# KiCad board FetsAndCrosses.kicad_pcb (continued)
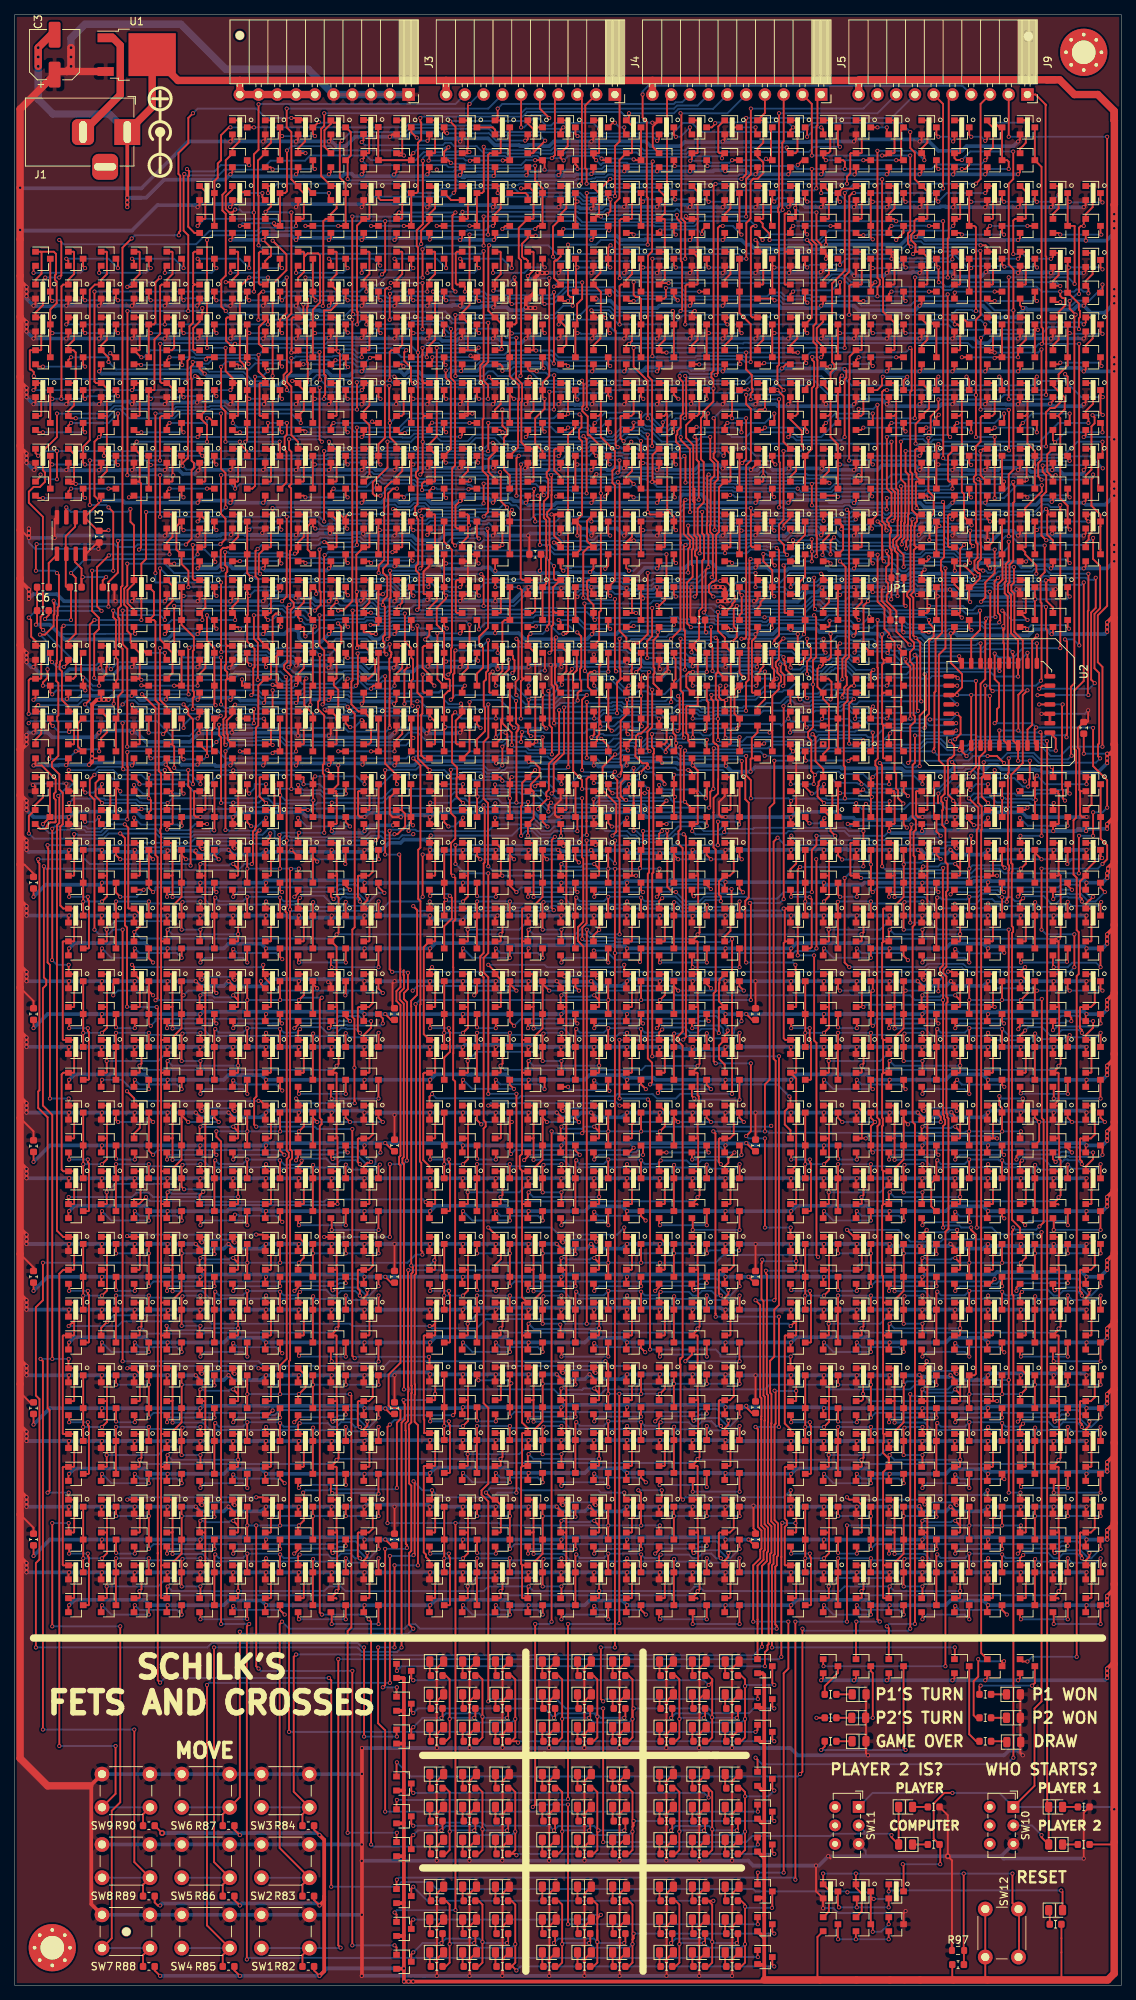
[diagram p0: board, top side]
## Nets (continued)
Net-(Q968-Pad2): Q968.2 Q969.3
Net-(Q972-Pad2): Q972.2 Q973.3
Net-(Q987-Pad2): Q987.2 Q988.3
Net-(Q988-Pad2): Q988.2 Q989.3
Net-(Q992-Pad2): Q992.2 Q993.3
Net-(Q997-Pad2): Q997.2 Q998.3
Net-(Q998-Pad2): Q998.2 Q999.3
Net-(Q1003-Pad2): Q1003.2 Q1004.3
Net-(Q1004-Pad2): Q1004.2 Q1005.3
Net-(Q1009-Pad2): Q1009.2 Q1010.3
Net-(Q1010-Pad2): Q1010.2 Q1011.3
Net-(Q1014-Pad2): Q1014.2 Q1015.3
Net-(Q1017-Pad3): Q405.2 Q1017.3
Net-(Q1018-Pad3): Q404.2 Q1018.3
Net-(Q1021-Pad3): Q407.2 Q1021.3
Net-(Q1022-Pad3): Q410.2 Q1022.3
Net-(Q1023-Pad3): Q409.2 Q1023.3
Net-(Q1024-Pad3): Q408.2 Q1024.3
Net-(Q1029-Pad2): Q1029.2 Q1030.3
Net-(Q1030-Pad2): Q1030.2 Q1031.3
Net-(Q1034-Pad2): Q1034.2 Q1035.3
Net-(Q1039-Pad2): Q1039.2 Q1040.3
Net-(Q1040-Pad2): Q1040.2 Q1041.3
Net-(Q1045-Pad2): Q1045.2 Q1046.3
Net-(Q1046-Pad2): Q1046.2 Q1047.3
Net-(Q1051-Pad2): Q1051.2 Q1052.3
Net-(Q1052-Pad2): Q1052.2 Q1053.3
Net-(Q1056-Pad2): Q1056.2 Q1057.3
Net-(Q1059-Pad3): Q411.2 Q1059.3
Net-(Q1060-Pad3): Q414.2 Q1060.3
Net-(Q1061-Pad3): Q413.2 Q1061.3
Net-(Q1062-Pad3): Q412.2 Q1062.3
Net-(Q1065-Pad3): Q415.2 Q1065.3
Net-(Q1066-Pad3): Q418.2 Q1066.3
Net-(Q1067-Pad3): Q417.2 Q1067.3
Net-(Q1068-Pad3): Q416.2 Q1068.3
Net-(Q1071-Pad2): Q1071.2 Q1072.3
Net-(Q1072-Pad2): Q1072.2 Q1073.3
Net-(Q1076-Pad2): Q1076.2 Q1077.3
Net-(Q1081-Pad2): Q1081.2 Q1082.3
Net-(Q1082-Pad2): Q1082.2 Q1083.3
Net-(Q1087-Pad2): Q1087.2 Q1088.3
Net-(Q1088-Pad2): Q1088.2 Q1089.3
Net-(Q1093-Pad2): Q1093.2 Q1094.3
Net-(Q1094-Pad2): Q1094.2 Q1095.3
Net-(Q1098-Pad2): Q1098.2 Q1099.3
Net-(Q1104-Pad2): Q1104.2 Q1105.3
Net-(Q1108-Pad2): Q1108.2 Q1109.3
Net-(Q1113-Pad2): Q1113.2 Q1114.3
Net-(Q1114-Pad2): Q1114.2 Q1115.3
Net-(Q1118-Pad2): Q1118.2 Q1119.3
Net-(Q1123-Pad2): Q1123.2 Q1124.3
Net-(Q1124-Pad2): Q1124.2 Q1125.3
Net-(Q1129-Pad2): Q1129.2 Q1130.3
Net-(Q1130-Pad2): Q1130.2 Q1131.3
Net-(Q1135-Pad2): Q1135.2 Q1136.3
Net-(Q1136-Pad2): Q1136.2 Q1137.3
Net-(Q1140-Pad2): Q1140.2 Q1141.3
Net-(Q1144-Pad2): Q1144.2 Q1145.3
Net-(Q1148-Pad2): Q1148.2 Q1149.3
Net-(Q1152-Pad2): Q1152.2 Q1185.3
Net-(Q1155-Pad2): Q1155.2 Q1156.3
Net-(Q1156-Pad2): Q1156.2 Q1157.3
Net-(Q1160-Pad2): Q1160.2 Q1161.3
Net-(Q1165-Pad2): Q1165.2 Q1166.3
Net-(Q1166-Pad2): Q1166.2 Q1167.3
Net-(Q1171-Pad2): Q1171.2 Q1172.3
Net-(Q1172-Pad2): Q1172.2 Q1173.3
Net-(Q1177-Pad2): Q1177.2 Q1178.3
Net-(Q1178-Pad2): Q1178.2 Q1179.3
Net-(Q1182-Pad2): Q1182.2 Q1183.3
Net-(Q1188-Pad2): Q1188.2 Q1189.3
Net-(Q1192-Pad2): Q1192.2 Q1193.3
Net-(Q1197-Pad2): Q1197.2 Q1198.3
Net-(Q1198-Pad2): Q1198.2 Q1199.3
Net-(Q1202-Pad2): Q1202.2 Q1203.3
Net-(Q1207-Pad2): Q1207.2 Q1208.3
Net-(Q1208-Pad2): Q1208.2 Q1209.3
Net-(Q1213-Pad2): Q1213.2 Q1214.3
Net-(Q1214-Pad2): Q1214.2 Q1215.3
Net-(Q1219-Pad2): Q1219.2 Q1220.3
Net-(Q1220-Pad2): Q1220.2 Q1221.3
Net-(Q1224-Pad2): Q1224.2 Q1225.3
Net-(Q1228-Pad2): Q1228.2 Q1229.3
Net-(Q1232-Pad2): Q1232.2 Q1233.3
Net-(Q1236-Pad2): Q1236.2 Q1269.3
Net-(Q1239-Pad2): Q1239.2 Q1240.3
Net-(Q1240-Pad2): Q1240.2 Q1241.3
Net-(Q1244-Pad2): Q1244.2 Q1245.3
Net-(Q1249-Pad2): Q1249.2 Q1250.3
Net-(Q1250-Pad2): Q1250.2 Q1251.3
Net-(Q1255-Pad2): Q1255.2 Q1256.3
Net-(Q1256-Pad2): Q1256.2 Q1257.3
Net-(Q1261-Pad2): Q1261.2 Q1262.3
Net-(Q1262-Pad2): Q1262.2 Q1263.3
Net-(Q1266-Pad2): Q1266.2 Q1267.3
Net-(Q1272-Pad2): Q1272.2 Q1273.3
Net-(Q1276-Pad2): Q1276.2 Q1277.3
Net-(Q1281-Pad2): Q1281.2 Q1282.3
Net-(Q1282-Pad2): Q1282.2 Q1283.3
Net-(Q1286-Pad2): Q1286.2 Q1287.3
Net-(Q1291-Pad2): Q1291.2 Q1292.3
Net-(Q1292-Pad2): Q1292.2 Q1293.3
Net-(Q1297-Pad2): Q1297.2 Q1298.3
Net-(Q1298-Pad2): Q1298.2 Q1299.3
Net-(Q1303-Pad2): Q1303.2 Q1304.3
Net-(Q1304-Pad2): Q1304.2 Q1305.3
Net-(Q1308-Pad2): Q1308.2 Q1309.3
Net-(Q1312-Pad2): Q1312.2 Q1313.3
Net-(Q1316-Pad2): Q1316.2 Q1317.3
Net-(Q1320-Pad2): Q1320.2 Q1362.3
Net-(Q1340-Pad3): Q1340.3 R99.2
Net-(Q1341-Pad3): Q1341.3 R102.2
Net-(Q1342-Pad3): Q1342.3 R103.2
Net-(Q1343-Pad3): Q1343.3 R104.2
Net-(Q1344-Pad3): Q1344.3 R105.2
Net-(Q1345-Pad3): Q1345.3 R106.2
Net-(Q1346-Pad3): Q1346.3 Q1347.2
Net-(Q1347-Pad3): Q1347.3 Q1350.2
Net-(Q1350-Pad3): Q1350.3 Q1351.2
Net-(Q1351-Pad3): Q1351.3 Q1352.2
Net-(Q1352-Pad3): Q1352.3 Q1356.2
Net-(Q1356-Pad3): Q1356.3 Q1357.2
Net-(Q1357-Pad3): Q1357.3 Q1358.2
Net-(Q1367-Pad2): Q1367.2 Q1368.3
Net-(Q1371-Pad2): Q1371.2 Q1372.3
Net-(Q1375-Pad2): Q1375.2 Q1376.3
Net-(Q1380-Pad3): Q1380.3 Q1381.2
Net-(Q1381-Pad3): Q1381.3 Q1382.2
Net-(Q1391-Pad3): Q1391.3 Q1392.2 Q1395.2
Net-(Q1393-Pad2): Q1393.2 Q1394.3 Q1396.2
Net-(R107-Pad1): R107.1 R108.1 U3.7

Pads without a net: H1 1; H2 1; J1 3; SW10 4 5 6; SW11 4 5 6

## Via types
v1: diameter 0.55, hole 0.35, Top to Bottom, 4513 vias
v2: diameter 0.8, hole 0.4, Top to Bottom, 8 vias

## Routing (per net, layer and track width the routed paths; a pad name or vN(x,y) marks a point on that pad's centre or on a via; arc(x,y) is an arc through that point)
+5V: length 5434.4
  Top w0.25: 122.55,232.46 Q634.2 122.83,232.04 v1(122.55,231.77) ; Q628.2 136.16,232.04 v1(135.89,231.77) ; 131.44,232.46 Q624.2 131.72,232.08 131.52,231.89 v1(131.51,231.89) ; v1(109.86,213.99) 109.49,214.36 Q747.2 ; 127,232.46 Q623.2 127.27,231.43 v1(127.11,231.26) ; 100.33,232.46 Q617.2 100.6,232.04 v1(100.33,231.77) ; Q630.2 118.38,232.04 v1(118.11,231.77) ; Q1067.2 69.5,178.53 v1(69.6,178.44) ; Q1101.2 73.95,178.53 v1(74.04,178.44) ; Q333.2 7.27,161.38 ; Q333.2 7.97,161.61 8.05,161.53 8.05,157.24 7.97,157.16 7.27,157.16 7.27,158.02 v1(7.37,158.11) ; Q333.2 6.98,161.9 v1(6.98,162.63) ; Q335.2 24.35,161.61 24.28,161.53 24.28,158.4 24.57,158.11 v1(25.15,158.11) ; 127.29,161.38 Q979.2 127.99,161.61 128.06,161.53 128.06,157.24 127.99,157.16 127.29,157.16 127.29,158.02 v1(127.38,158.11) ; 144.37,161.61 144.29,161.53 144.29,158.4 144.58,158.11 v1(145.16,158.11) ; 144.37,161.61 Q981.2 ; 144.37,161.61 144.19,161.79 144.19,167.3 143.98,167.51 143.98,170.17 C5.1 ; 105.06,161.38 Q1023.2 105.76,161.61 ; 105.76,161.61 105.84,161.53 105.84,157.24 105.76,157.16 105.06,157.16 105.06,158 v1(105.16,158.09) ; 105.76,161.61 105.84,161.69 105.84,165.96 105.75,166.06 Q1346.2 ; Q1025.2 122.14,161.61 122.07,161.53 122.07,158.4 122.36,158.11 v1(122.94,158.11) ; 56.17,161.38 Q1017.2 56.87,161.61 56.94,161.53 56.94,157.24 56.87,157.16 56.17,157.16 56.17,158.02 v1(56.26,158.11) ; 78.39,161.38 Q941.2 79.09,161.61 79.17,161.53 79.17,157.24 79.09,157.16 78.39,157.16 78.39,158.02 v1(78.49,158.11) ; Q33.2 20.59,100.22 v1(20.7,100.33) ; v1(24.51,100.33) 25.04,99.81 Q36.2 ; Q11.2 29.48,99.81 v1(28.96,100.33) ; Q14.2 33.92,100.22 v1(34.04,100.33) ; Q27.2 38.37,100.22 v1(38.48,100.33) ; Q28.2 42.81,100.22 v1(42.93,100.33) ; Q32.2 47.26,100.22 v1(47.37,100.33) ; Q3.2 16.16,100.23 v1(16.26,100.33) ; Q38.2 11.72,100.23 v1(11.81,100.33) ; Q26.2 47.26,91.33 v1(47.37,91.44) ; Q22.2 42.81,91.33 v1(42.93,91.44) ; Q21.2 38.37,91.33 v1(38.48,91.44) ; Q20.2 33.92,91.33 v1(34.04,91.44) ; Q15.2 25.04,91.33 v1(25.15,91.44) ; Q6.2 16.14,91.33 v1(16.26,91.44) ; v1(11.81,91.44) 11.7,91.33 Q5.2 ; v1(29.59,91.44) 29.48,91.33 Q16.2 ; Q42.2 7.27,91.34 v1(7.37,91.44) ; Q39.2 7.27,100.23 v1(7.37,100.33) ; Q75.2 69.48,100.22 v1(69.6,100.33) ; v1(73.41,100.33) 73.93,99.81 Q78.2 ; Q56.2 82.82,100.22 v1(82.93,100.33) ; Q69.2 87.27,100.22 v1(87.38,100.33) ; Q70.2 91.71,100.22 v1(91.82,100.33) ; Q74.2 96.16,100.22 v1(96.27,100.33) ; Q43.2 65.06,100.23 v1(65.15,100.33) ; Q46.2 60.61,100.23 v1(60.71,100.33) ; Q68.2 96.16,91.33 v1(96.27,91.44) ; Q64.2 91.71,91.33 v1(91.82,91.44) ; Q63.2 87.27,91.33 v1(87.38,91.44) ; Q62.2 82.82,91.33 v1(82.93,91.44) ; Q57.2 73.93,91.33 v1(74.04,91.44) ; Q48.2 65.04,91.33 v1(65.15,91.44) ; v1(60.7,91.44) 60.59,91.33 Q47.2 ; v1(78.48,91.44) 78.38,91.33 Q58.2 ; v1(69.59,91.44) 69.48,91.33 Q52.2 ; Q82.2 56.17,91.34 v1(56.26,91.44) ; Q79.2 56.17,100.23 v1(56.26,100.33) ; Q117.2 118.38,100.22 v1(118.49,100.33) ; Q95.2 127.27,99.81 v1(126.75,100.33) ; Q98.2 131.72,100.22 v1(131.83,100.33) ; Q111.2 136.16,100.22 v1(136.27,100.33) ; Q112.2 140.6,100.22 v1(140.72,100.33) ; Q116.2 145.05,100.22 v1(145.16,100.33) ; Q83.2 113.95,100.23 v1(114.05,100.33) ; Q86.2 109.51,100.23 v1(109.6,100.33) ; Q110.2 145.05,91.33 v1(145.16,91.44) ; Q106.2 140.6,91.33 v1(140.72,91.44) ; Q105.2 136.16,91.33 v1(136.27,91.44) ; Q104.2 131.72,91.33 v1(131.83,91.44) ; Q99.2 122.83,91.33 v1(122.94,91.44) ; Q90.2 113.94,91.33 v1(114.05,91.44) ; v1(109.6,91.44) 109.49,91.33 Q89.2 ; v1(127.38,91.44) 127.27,91.33 Q100.2 ; v1(118.49,91.44) 118.38,91.33 Q94.2 ; Q122.2 105.06,91.34 v1(105.16,91.44) ; Q87.2 105.06,100.23 v1(105.16,100.33) ; Q159.2 20.59,82.44 v1(20.7,82.55) ; v1(24.51,82.55) 25.04,82.03 Q162.2 ; Q137.2 29.48,82.03 v1(28.96,82.55) ; Q140.2 33.92,82.44 v1(34.04,82.55) ; Q153.2 38.37,82.44 v1(38.48,82.55) ; Q154.2 42.81,82.44 v1(42.93,82.55) ; Q158.2 47.26,82.44 v1(47.37,82.55) ; Q123.2 16.16,82.45 v1(16.26,82.55) ; Q126.2 11.72,82.45 v1(11.81,82.55) ; Q152.2 47.26,73.55 v1(47.37,73.66) ; Q148.2 42.81,73.55 v1(42.93,73.66) ; Q147.2 38.37,73.55 v1(38.48,73.66) ; Q146.2 33.92,73.55 v1(34.04,73.66) ; Q141.2 25.04,73.55 v1(25.15,73.66) ; Q132.2 16.14,73.55 v1(16.26,73.66) ; v1(11.81,73.66) 11.7,73.55 Q131.2 ; v1(29.59,73.66) 29.48,73.55 Q142.2 ; v1(20.7,73.66) 20.59,73.55 Q136.2 ; Q130.2 7.27,73.56 v1(7.37,73.66) ; Q127.2 7.27,82.45 v1(7.37,82.55) ; Q201.2 69.48,82.56 v1(69.6,82.67) ; v1(73.41,82.67) 73.93,82.15 Q204.2 ; Q179.2 78.38,82.15 v1(77.85,82.67) ; Q182.2 82.82,82.56 v1(82.93,82.67) ; Q195.2 87.27,82.56 v1(87.38,82.67) ; Q196.2 91.71,82.56 v1(91.82,82.67) ; Q200.2 96.16,82.56 v1(96.27,82.67) ; Q163.2 65.06,82.58 v1(65.15,82.67) ; Q166.2 60.61,82.58 v1(60.71,82.67) ; 96.16,72.83 96.16,73.67 v1(96.27,73.78) ; 91.71,72.83 91.71,73.67 v1(91.82,73.78) ; 87.27,72.83 87.27,73.67 v1(87.38,73.78) ; 82.82,72.83 82.82,73.67 v1(82.93,73.78) ; 73.93,72.83 73.93,73.67 v1(74.04,73.78) ; 65.04,72.83 65.04,73.67 v1(65.15,73.78) ; v1(60.7,73.78) 60.59,73.67 60.59,72.83 ; v1(78.48,73.78) 78.38,73.67 78.38,72.83 ; v1(69.59,73.78) 69.48,73.67 69.48,72.83 ; 56.17,72.83 56.17,73.69 v1(56.26,73.78) ; Q167.2 56.17,82.58 v1(56.26,82.67) ; Q243.2 118.38,82.44 v1(118.49,82.55) ; Q221.2 127.27,82.03 v1(126.75,82.55) ; Q224.2 131.72,82.44 v1(131.83,82.55) ; Q237.2 136.16,82.44 v1(136.27,82.55) ; Q238.2 140.6,82.44 v1(140.72,82.55) ; Q242.2 145.05,82.44 v1(145.16,82.55) ; Q171.2 113.95,82.45 v1(114.05,82.55) ; Q206.2 109.51,82.45 v1(109.6,82.55) ; Q236.2 145.05,73.55 v1(145.16,73.66) ; Q232.2 140.6,73.55 v1(140.72,73.66) ; Q231.2 136.16,73.55 v1(136.27,73.66) ; Q230.2 131.72,73.55 v1(131.83,73.66) ; Q225.2 122.83,73.55 v1(122.94,73.66) ; Q216.2 113.94,73.55 v1(114.05,73.66) ; v1(109.6,73.66) 109.49,73.55 Q215.2 ; v1(127.38,73.66) 127.27,73.55 Q226.2 ; v1(118.49,73.66) 118.38,73.55 Q220.2 ; Q210.2 105.06,73.56 v1(105.16,73.66) ; Q207.2 105.06,82.45 v1(105.16,82.55) ; Q285.2 20.59,64.66 v1(20.7,64.77) ; v1(24.51,64.77) 25.04,64.25 Q288.2 ; Q263.2 29.48,64.25 v1(28.96,64.77) ; Q266.2 33.92,64.66 v1(34.04,64.77) ; Q280.2 42.81,64.66 v1(42.93,64.77) ; Q284.2 47.26,64.66 v1(47.37,64.77) ; Q211.2 16.16,64.67 v1(16.26,64.77) ; Q214.2 11.72,64.67 v1(11.81,64.77) ; Q278.2 47.26,55.77 v1(47.37,55.88) ; Q274.2 42.81,55.77 v1(42.93,55.88) ; Q273.2 38.37,55.77 v1(38.48,55.88) ; Q272.2 33.92,55.77 v1(34.04,55.88) ; Q267.2 25.04,55.77 v1(25.15,55.88) ; Q258.2 16.14,55.77 v1(16.26,55.88) ; v1(11.81,55.88) 11.7,55.77 Q257.2 ; v1(29.59,55.88) 29.48,55.77 Q268.2 ; v1(20.7,55.88) 20.59,55.77 Q262.2 ; Q250.2 7.27,55.78 v1(7.37,55.88) ; Q247.2 7.27,64.67 v1(7.37,64.77) ; Q327.2 69.48,64.66 v1(69.6,64.77) ; v1(73.41,64.77) 73.93,64.25 Q330.2 ; Q305.2 78.38,64.25 v1(77.85,64.77) ; Q308.2 82.82,64.66 v1(82.93,64.77) ; Q321.2 87.27,64.66 v1(87.38,64.77) ; Q322.2 91.71,64.66 v1(91.82,64.77) ; Q326.2 96.16,64.66 v1(96.27,64.77) ; Q251.2 65.06,64.67 v1(65.15,64.77) ; Q254.2 60.61,64.67 v1(60.71,64.77) ; Q320.2 96.16,55.77 v1(96.27,55.88) ; Q316.2 91.71,55.77 v1(91.82,55.88) ; Q315.2 87.27,55.77 v1(87.38,55.88) ; Q314.2 82.82,55.77 v1(82.93,55.88) ; Q309.2 73.93,55.77 v1(74.04,55.88) ; Q300.2 65.04,55.77 v1(65.15,55.88) ; v1(60.7,55.88) 60.59,55.77 Q299.2 ; v1(78.48,55.88) 78.38,55.77 Q310.2 ; v1(69.59,55.88) 69.48,55.77 Q304.2 ; Q290.2 56.17,55.78 v1(56.26,55.88) ; Q255.2 56.17,64.67 v1(56.26,64.77) ; Q369.2 118.38,64.66 v1(118.49,64.77) ; Q347.2 127.27,64.25 v1(126.75,64.77) ; Q350.2 131.72,64.66 v1(131.83,64.77) ; Q363.2 136.16,64.66 v1(136.27,64.77) ; Q364.2 140.6,64.66 v1(140.72,64.77) ; Q368.2 145.05,64.66 v1(145.16,64.77) ; Q291.2 113.95,64.67 v1(114.05,64.77) ; Q294.2 109.51,64.67 v1(109.6,64.77) ; Q362.2 145.05,55.77 v1(145.16,55.88) ; Q358.2 140.6,55.77 v1(140.72,55.88) ; Q357.2 136.16,55.77 v1(136.27,55.88) ; Q356.2 131.72,55.77 v1(131.83,55.88) ; Q351.2 122.83,55.77 v1(122.94,55.88) ; Q342.2 113.94,55.77 v1(114.05,55.88) ; v1(109.6,55.88) 109.49,55.77 Q341.2 ; v1(127.38,55.88) 127.27,55.77 Q352.2 ; v1(118.49,55.88) 118.38,55.77 Q346.2 ; Q298.2 105.06,55.78 v1(105.16,55.88) ; Q295.2 105.06,64.67 v1(105.16,64.77) ; Q1013.2 69.48,153.56 v1(69.6,153.67) ; Q994.2 82.82,153.56 v1(82.93,153.67) ; Q1008.2 91.71,153.56 v1(91.82,153.67) ; Q1012.2 96.16,153.56 v1(96.27,153.67) ; Q1143.2 65.06,153.57 v1(65.15,153.67) ; Q1146.2 60.61,153.57 v1(60.71,153.67) ; Q1006.2 96.16,144.67 v1(96.27,144.78) ; Q1001.2 87.27,144.67 v1(87.38,144.78) ; Q1000.2 82.82,144.67 v1(82.93,144.78) ; Q995.2 73.93,144.67 v1(74.04,144.78) ; v1(78.48,144.78) 78.38,144.67 Q996.2 ; v1(69.59,144.78) 69.48,144.67 Q990.2 ; Q1150.2 56.17,144.69 v1(56.26,144.78) ; Q1147.2 56.17,153.57 v1(56.26,153.67) ; Q1055.2 118.38,153.56 v1(118.49,153.67) ; Q1033.2 127.27,153.15 v1(126.75,153.67) ; Q1036.2 131.72,153.56 v1(131.83,153.67) ; Q1049.2 136.16,153.56 v1(136.27,153.67) ; Q1050.2 140.6,153.56 v1(140.72,153.67) ; Q1054.2 145.05,153.56 v1(145.16,153.67) ; Q1151.2 113.95,153.57 v1(114.05,153.67) ; Q1186.2 109.51,153.57 v1(109.6,153.67) ; Q1048.2 145.05,144.67 v1(145.16,144.78) ; Q1044.2 140.6,144.67 v1(140.72,144.78) ; Q1043.2 136.16,144.67 v1(136.27,144.78) ; Q1042.2 131.72,144.67 v1(131.83,144.78) ; Q1037.2 122.83,144.67 v1(122.94,144.78) ; Q1028.2 113.94,144.67 v1(114.05,144.78) ; v1(109.6,144.78) 109.49,144.67 Q1027.2 ; v1(127.38,144.78) 127.27,144.67 Q1038.2 ; v1(118.49,144.78) 118.38,144.67 Q1032.2 ; Q1190.2 105.06,144.69 v1(105.16,144.78) ; Q1187.2 105.06,153.57 v1(105.16,153.67) ; Q1097.2 20.59,135.78 v1(20.7,135.89) ; v1(24.51,135.89) 25.04,135.37 Q1100.2 ; Q1075.2 29.48,135.37 v1(28.96,135.89) ; Q1091.2 38.37,135.78 v1(38.48,135.89) ; Q1096.2 47.26,135.78 v1(47.37,135.89) ; Q1191.2 16.16,135.79 v1(16.26,135.89) ; Q1194.2 11.72,135.79 v1(11.81,135.89) ; Q1090.2 47.26,126.89 v1(47.37,127) ; Q1086.2 42.81,126.89 v1(42.93,127) ; Q1085.2 38.37,126.89 v1(38.48,127) ; Q1084.2 33.92,126.89 v1(34.04,127) ; Q1079.2 25.04,126.89 v1(25.15,127) ; Q1070.2 16.14,126.89 v1(16.26,127) ; v1(11.81,127) 11.7,126.89 Q1069.2 ; v1(29.59,127) 29.48,126.89 Q1080.2 ; v1(20.7,127) 20.59,126.89 Q1074.2 ; Q1230.2 7.27,126.9 v1(7.37,127) ; Q1227.2 7.27,135.79 v1(7.37,135.89) ; Q1139.2 69.48,135.78 v1(69.6,135.89) ; v1(73.41,135.89) 73.93,135.37 Q1142.2 ; Q1120.2 82.82,135.78 v1(82.93,135.89) ; Q1133.2 87.27,135.78 v1(87.38,135.89) ; Q1134.2 91.71,135.78 v1(91.82,135.89) ; Q1138.2 96.16,135.78 v1(96.27,135.89) ; Q1231.2 65.06,135.79 v1(65.15,135.89) ; Q1234.2 60.61,135.79 v1(60.71,135.89) ; Q1132.2 96.16,126.89 v1(96.27,127) ; Q1128.2 91.71,126.89 v1(91.82,127) ; Q1127.2 87.27,126.89 v1(87.38,127) ; Q1126.2 82.82,126.89 v1(82.93,127) ; Q1121.2 73.93,126.89 v1(74.04,127) ; Q1112.2 65.04,126.89 v1(65.15,127) ; v1(60.7,127) 60.59,126.89 Q1111.2 ; v1(78.48,127) 78.38,126.89 Q1122.2 ; v1(69.59,127) 69.48,126.89 Q1116.2 ; Q1270.2 56.17,126.9 v1(56.26,127) ; Q1235.2 56.17,135.79 v1(56.26,135.89) ; Q1181.2 118.38,135.78 v1(118.49,135.89) ; v1(122.3,135.89) 122.83,135.37 Q1184.2 ; Q1162.2 131.72,135.78 v1(131.83,135.89) ; Q1175.2 136.16,135.78 v1(136.27,135.89) ; Q1176.2 140.6,135.78 v1(140.72,135.89) ; Q1180.2 145.05,135.78 v1(145.16,135.89) ; Q1271.2 113.95,135.79 v1(114.05,135.89) ; Q1274.2 109.51,135.79 v1(109.6,135.89) ; Q1174.2 145.05,126.89 v1(145.16,127) ; Q1170.2 140.6,126.89 v1(140.72,127) ; Q1169.2 136.16,126.89 v1(136.27,127) ; Q1168.2 131.72,126.89 v1(131.83,127) ; Q1163.2 122.83,126.89 v1(122.94,127) ; Q1154.2 113.94,126.89 v1(114.05,127) ; v1(109.6,127) 109.49,126.89 Q1153.2 ; v1(127.38,127) 127.27,126.89 Q1164.2 ; v1(118.49,127) 118.38,126.89 Q1158.2 ; Q1278.2 105.06,126.9 v1(105.16,127) ; Q1275.2 105.06,135.79 v1(105.16,135.89) ; Q1223.2 20.59,118 v1(20.7,118.11) ; v1(24.51,118.11) 25.04,117.59 Q1226.2 ; Q1201.2 29.48,117.59 v1(28.96,118.11) ; Q1204.2 33.92,118 v1(34.04,118.11) ; Q1217.2 38.37,118 v1(38.48,118.11) ; Q1218.2 42.81,118 v1(42.93,118.11) ; Q1222.2 47.26,118 v1(47.37,118.11) ; Q1311.2 16.16,118.01 v1(16.26,118.11) ; Q1314.2 11.72,118.01 v1(11.81,118.11) ; Q1216.2 47.26,109.11 v1(47.37,109.22) ; Q1212.2 42.81,109.11 v1(42.93,109.22) ; Q1211.2 38.37,109.11 v1(38.48,109.22) ; Q1210.2 33.92,109.11 v1(34.04,109.22) ; Q1205.2 25.04,109.11 v1(25.15,109.22) ; Q1196.2 16.14,109.11 v1(16.26,109.22) ; v1(11.81,109.22) 11.7,109.11 Q1195.2 ; v1(29.59,109.22) 29.48,109.11 Q1206.2 ; v1(20.7,109.22) 20.59,109.11 Q1200.2 ; Q1318.2 7.27,109.12 v1(7.37,109.22) ; Q1315.2 7.27,118.01 v1(7.37,118.11) ; Q1265.2 69.48,118 v1(69.6,118.11) ; v1(73.41,118.11) 73.93,117.59 Q1268.2 ; Q1246.2 82.82,118 v1(82.93,118.11) ; Q1259.2 87.27,118 v1(87.38,118.11) ; Q1260.2 91.71,118 v1(91.82,118.11) ; Q1264.2 96.16,118 v1(96.27,118.11) ; Q1319.2 65.06,118.01 v1(65.15,118.11) ; Q1365.2 60.61,118.01 v1(60.71,118.11) ; Q1258.2 96.16,109.11 v1(96.27,109.22) ; Q1254.2 91.71,109.11 v1(91.82,109.22) ; Q1253.2 87.27,109.11 v1(87.38,109.22) ; Q1252.2 82.82,109.11 v1(82.93,109.22) ; Q1247.2 73.93,109.11 v1(74.04,109.22) ; Q1238.2 65.04,109.11 v1(65.15,109.22) ; v1(60.7,109.22) 60.59,109.11 Q1237.2 ; v1(78.48,109.22) 78.38,109.11 Q1248.2 ; v1(69.59,109.22) 69.48,109.11 Q1242.2 ; Q1369.2 56.17,109.12 v1(56.26,109.22) ; Q1366.2 56.17,118.01 v1(56.26,118.11) ; Q1307.2 118.38,118 v1(118.49,118.11) ; v1(122.3,118.11) 122.83,117.59 Q1310.2 ; Q1288.2 131.72,118 v1(131.83,118.11) ; Q1301.2 136.16,118 v1(136.27,118.11) ; Q1302.2 140.6,118 v1(140.72,118.11) ; Q1306.2 145.05,118 v1(145.16,118.11) ; Q1370.2 113.95,118.01 v1(114.05,118.11) ; Q1373.2 109.51,118.01 v1(109.6,118.11) ; Q1300.2 145.05,109.11 v1(145.16,109.22) ; Q1296.2 140.6,109.11 v1(140.72,109.22) ; Q1295.2 136.16,109.11 v1(136.27,109.22) ; Q1294.2 131.72,109.11 v1(131.83,109.22) ; Q1289.2 122.83,109.11 v1(122.94,109.22) ; Q1280.2 113.94,109.11 v1(114.05,109.22) ; v1(109.6,109.22) 109.49,109.11 Q1279.2 ; v1(127.38,109.22) 127.27,109.11 Q1290.2 ; v1(118.49,109.22) 118.38,109.11 Q1284.2 ; Q1377.2 105.06,109.12 v1(105.16,109.22) ; Q1374.2 105.06,118.01 v1(105.16,118.11) ; Q794.2 78.11,188.55 v1(78.11,189.23) ; 97.16,18.41 97.16,16.87 v1(97.15,16.86) ; 97.16,18.41 97.16,22.86 ; 97.16,18.41 97.16,18.75 D54.2 ; v1(78.07,100.33) 78.38,100.03 Q53.2 ; Q1092.2 42.81,135.59 42.65,135.76 v1(42.46,135.76) ; Q948.2 20.59,144.67 v1(20.7,144.78) ; 97.18,7.6 97.18,12.42 D79.2 ; 97.18,7.6 97.18,1.29 v1(97.16,1.27) ; 97.18,7.6 97.18,7.98 D80.2 ; v1(127,205.1) 127.27,205.38 Q734.2 ; v1(109.31,189.17) 109.49,189 Q735.2 ; Q853.2 25.04,178.7 v1(24.76,178.44) ; 92.71,22.22 92.71,27.64 D49.2 ; 92.71,22.22 92.71,23.19 D50.2 ; 92.71,22.22 92.71,16.87 v1(92.72,16.86) ; Q339.2 96.17,178.5 v1(96.27,178.4) ; Q1016.2 73.93,153.34 v1(73.6,153.67) ; Q1103.2 16.16,153.57 v1(16.26,153.67) ; D81.2 97.16,3.51 97.16,3.18 ; v1(91.66,189.21) 91.51,189.06 91.51,185.2 C21.1 ; Q722.2 140.6,205.2 v1(140.49,205.09) ; D16.2 81.9,42.86 81.92,33.65 ; 57.17,1.64 57.15,1.62 ; 57.17,1.64 57.17,1.29 v1(57.15,1.27) ; 57.17,1.64 57.17,3.53 D57.2 57.79,4.44 ; 20.59,228.28 20.59,227.6 v1(20.32,227.33) ; v1(60.22,205.39) 60.57,205.39 60.59,205.41 Q576.2 ; v1(2.54,213.99) 2.81,214.26 Q471.2 ; Q882.2 38.37,249.82 v1(38.1,249.55) ; Q649.2 145.05,196.48 v1(144.78,196.21) ; v1(46.99,240.66) 47.26,240.94 Q524.2 ; Q746.2 113.94,205.38 v1(113.67,205.1) ; 81.92,7.62 81.94,12.42 D70.2 ; 81.92,7.62 81.94,5.74 ; 81.92,7.62 81.92,7.95 D71.2 ; Q497.2 51.12,250.51 v1(50.8,250.19) ; C26.1 2.54,150.45 1.32,151.67 0.73,151.67 ; Q710.2 78.38,223.08 v1(78.2,222.9) ; 88.27,33.65 v1(88.25,32.1) ; 88.27,33.65 88.27,33.99 D21.2 ; 88.27,33.65 88.27,38.1 ; Q927.2 60.59,178.7 v1(60.33,178.44) ; D1.2 57.15,42.88 57.15,38.1 ; Q640.2 136.16,240.94 v1(135.89,240.66) ; v1(81.92,1.27) 81.94,1.29 81.92,3.18 ; v1(60.33,227.33) 60.59,227.6 60.59,228.28 ; C19.1 v1(51.44,64.77) ; Q868.2 2.81,178.7 v1(2.54,178.44) ; Q459.2 16.14,214.26 v1(15.88,213.99) ; Q528.2 78.38,249.84 v1(78.11,249.57) ; Q790.2 87.27,205.38 v1(87,205.1) ; Q687.2 140.6,223.15 v1(140.33,222.88) ; Q554.2 69.48,223.15 v1(69.22,222.88) ; 33.88,135.07 33.88,134.99 Q1078.2 33.34,135.53 v1(33.34,135.89) ; v1(72.39,1.27) 72.41,1.29 72.39,3.18 ; Q1107.2 7.27,153.57 v1(7.37,153.67) ; R97.1 126.94,16.89 v2(126.36,17.46) 126.36,23.01 R93.2 ; 61.59,33.65 61.59,32.11 v1(61.6,32.1) ; 61.59,33.65 61.59,33.99 D6.2 ; 61.59,33.65 61.59,37.46 ; 51.59,214.62 51.7,214.73 Q577.2 51.7,214.26 51.66,214.22 v1(51.66,213.99) ; 66.06,1.93 66.06,1.29 v1(66.04,1.27) ; 66.06,1.93 66.06,3.53 ; 66.06,1.93 66.06,1.64 66.04,1.62 ; D47.2 88.27,23.19 88.27,22.22 ; Q466.2 7.25,223.15 v1(6.98,222.88) ; D73.2 88.29,12.42 88.29,5.36 88.27,3.18 ; v1(78.11,196.21) 78.38,196.48 Q798.2 78.35,197.17 78.11,196.93 ; 77.15,3.18 77.15,3.51 D69.2 ; 77.15,3.18 77.18,5.36 77.15,7.62 ; 77.15,3.18 77.18,1.29 v1(77.15,1.27) ; v1(144.78,222.88) 145.05,223.15 Q690.2 ; Q565.2 38.37,205.38 v1(38.1,205.1) ; v1(42.55,249.55) 42.81,249.82 Q877.2 ; v1(144.78,231.77) 145.05,232.04 Q684.2 ; v1(15.88,187.32) 16.14,187.59 Q1363.2 ; D13.2 77.14,42.86 77.15,33.65 ; v1(2.64,205.1) 2.81,205.28 Q447.2 ; Q1159.2 127.27,135.59 127.24,135.62 127.06,135.62 v1(126.78,135.89) ; v1(1.91,195.9) 0.86,196.94 0.73,196.94 ; Q419.2 65.06,187.36 v1(65.09,187.32) ; Q589.2 38.37,214.26 v1(38.1,213.99) ; v1(73.66,240.66) 73.93,240.94 Q703.2 ; Q892.2 51.7,196.48 v1(51.44,196.21) ; Q826.2 100.6,196.52 100.34,196.26 v1(100.32,196.26) ; v1(87,196.21) 87.27,196.48 Q786.2 ; v1(87.38,153.21) 87.27,153.1 Q1007.2 ; D9.2 66.04,33.99 66.04,33.65 ; 97.16,33.02 v1(97.14,32.1) ; 97.16,33.02 97.16,33.65 98.09,34.59 D27.2 ; 97.16,33.02 97.14,42.86 D25.2 ; D68.2 77.15,7.95 77.15,7.62 ; 61.62,1.64 61.62,3.53 D60.2 ; 61.62,1.64 61.62,1.29 v1(61.59,1.27) ; 61.62,1.64 61.6,1.62 ; v1(69.13,205.34) 69.41,205.34 69.48,205.41 Q552.2 ; 88.27,3.18 88.29,1.29 v1(88.27,1.27) ; 88.27,3.18 88.27,3.51 D75.2 ; R91.2 144.78,23.34 v1(144.78,17.14) ; v1(33.66,249.55) 33.92,249.82 Q879.2 ; v1(51.44,187.32) 51.7,187.59 Q896.2 ; v1(127,222.88) 127.27,223.15 Q658.2 ; Q908.2 33.92,196.97 v1(33.53,196.57) ; v1(5.4,195.9) 5.4,198.44 5.64,198.67 ; Q909.2 29.48,187.59 v1(29.21,187.32) ; v1(60.33,169.54) 60.59,169.81 Q921.2 ; v1(11.43,222.88) 11.7,223.15 Q470.2 ; 72.39,3.18 72.41,5.36 72.41,12.42 D64.2 ; 72.39,3.18 72.39,3.51 D66.2 ; 61.59,37.46 61.59,38.43 D5.2 ; 61.59,37.46 61.59,42.88 D4.2 ; v1(33.66,205.1) 33.92,205.38 Q434.2 ; Q913.2 20.59,196.48 v1(20.32,196.21) ; v1(29.21,222.88) 29.48,223.15 Q435.2 ; v1(122.55,205.1) 122.83,205.38 Q731.2 ; v1(34.04,144.78) 33.92,144.67 Q958.2 ; Q742.2 113.94,196.48 v1(113.67,196.21) ; Q986.2 65.04,144.45 v1(65.37,144.78) ; D7.2 66.06,42.9 66.04,33.65 ; D43.2 81.9,27.62 v1(81.9,16.86) ; Q1396.3 120.38,9.76 v1(120.65,10.03) ; v1(115.57,31.11) 115.28,31.4 D89.2 115.3,33.03 D95.2 ; D53.2 97.16,23.19 97.16,22.86 ; Q803.2 69.48,189.12 v1(69.6,189.23) ; Q685.2 131.72,195.71 v1(131.81,195.61) ; 72.39,18.41 v1(72.38,16.86) ; 72.39,18.41 72.39,22.22 ; 72.39,18.41 72.39,18.75 D39.2 ; D67.2 77.18,12.42 77.15,7.62 ; Q655.2 136.16,223.15 v1(135.89,222.88) ; D10.2 72.38,42.86 72.39,37.46 ; v1(42.93,144.78) 42.93,144.53 42.81,144.41 Q960.2 ; 67.31,39.37 D8.2 66.04,38.43 ; v1(131.44,205.1) 131.72,205.38 Q679.2 ; v1(33.75,213.99) 33.92,214.17 Q430.2 ; 33.92,228.28 33.92,227.6 v1(33.66,227.33) ; v1(73.66,213.99) 73.93,214.26 Q809.2 ; 77.15,33.65 v1(77.14,32.1) ; 77.15,33.65 77.15,33.99 D15.2 ; 100.6,187.59 100.33,187.32 ; 100.6,187.59 100.34,187.33 v1(100.11,187.33) ; 100.6,187.59 Q774.2 ; v1(95.89,205.3) 96.04,205.3 96.16,205.41 Q775.2 ; v1(82.55,222.88) 82.82,223.15 Q669.2 ; v1(104.78,222.88) 105.05,223.15 Q678.2 ; v1(87,222.88) 87.27,223.15 Q647.2 ; D59.2 61.59,7.95 ; v1(33.66,222.88) 33.92,223.15 Q436.2 ; Q572.2 56.15,205.41 56.13,205.39 v1(55.88,205.39) ; Q429.2 29.48,214.26 v1(29.21,213.99) ; 92.71,38.73 93.65,39.67 D23.2 ; v1(72.57,178.71) 72.71,178.57 72.71,176.01 73.03,175.69 v1(73.03,170.81) ; D61.2 66.06,12.42 66.06,7.98 ; Q823.2 96.16,196.48 v1(95.89,196.21) ; 0.73,81.37 0.73,80.23 2.07,78.89 C17.1 ; D20.2 88.27,38.43 88.27,38.1 ; v1(2.44,162.44) 2.58,162.44 2.76,162.26 Q939.2 ; D11.2 72.39,38.43 72.39,37.46 ; v1(92.7,32.1) 92.73,32.14 92.73,42.9 D22.2 ; Q714.2 96.16,223.15 v1(95.89,222.88) ;